# KiCad board PC110.kicad_pcb (continued)
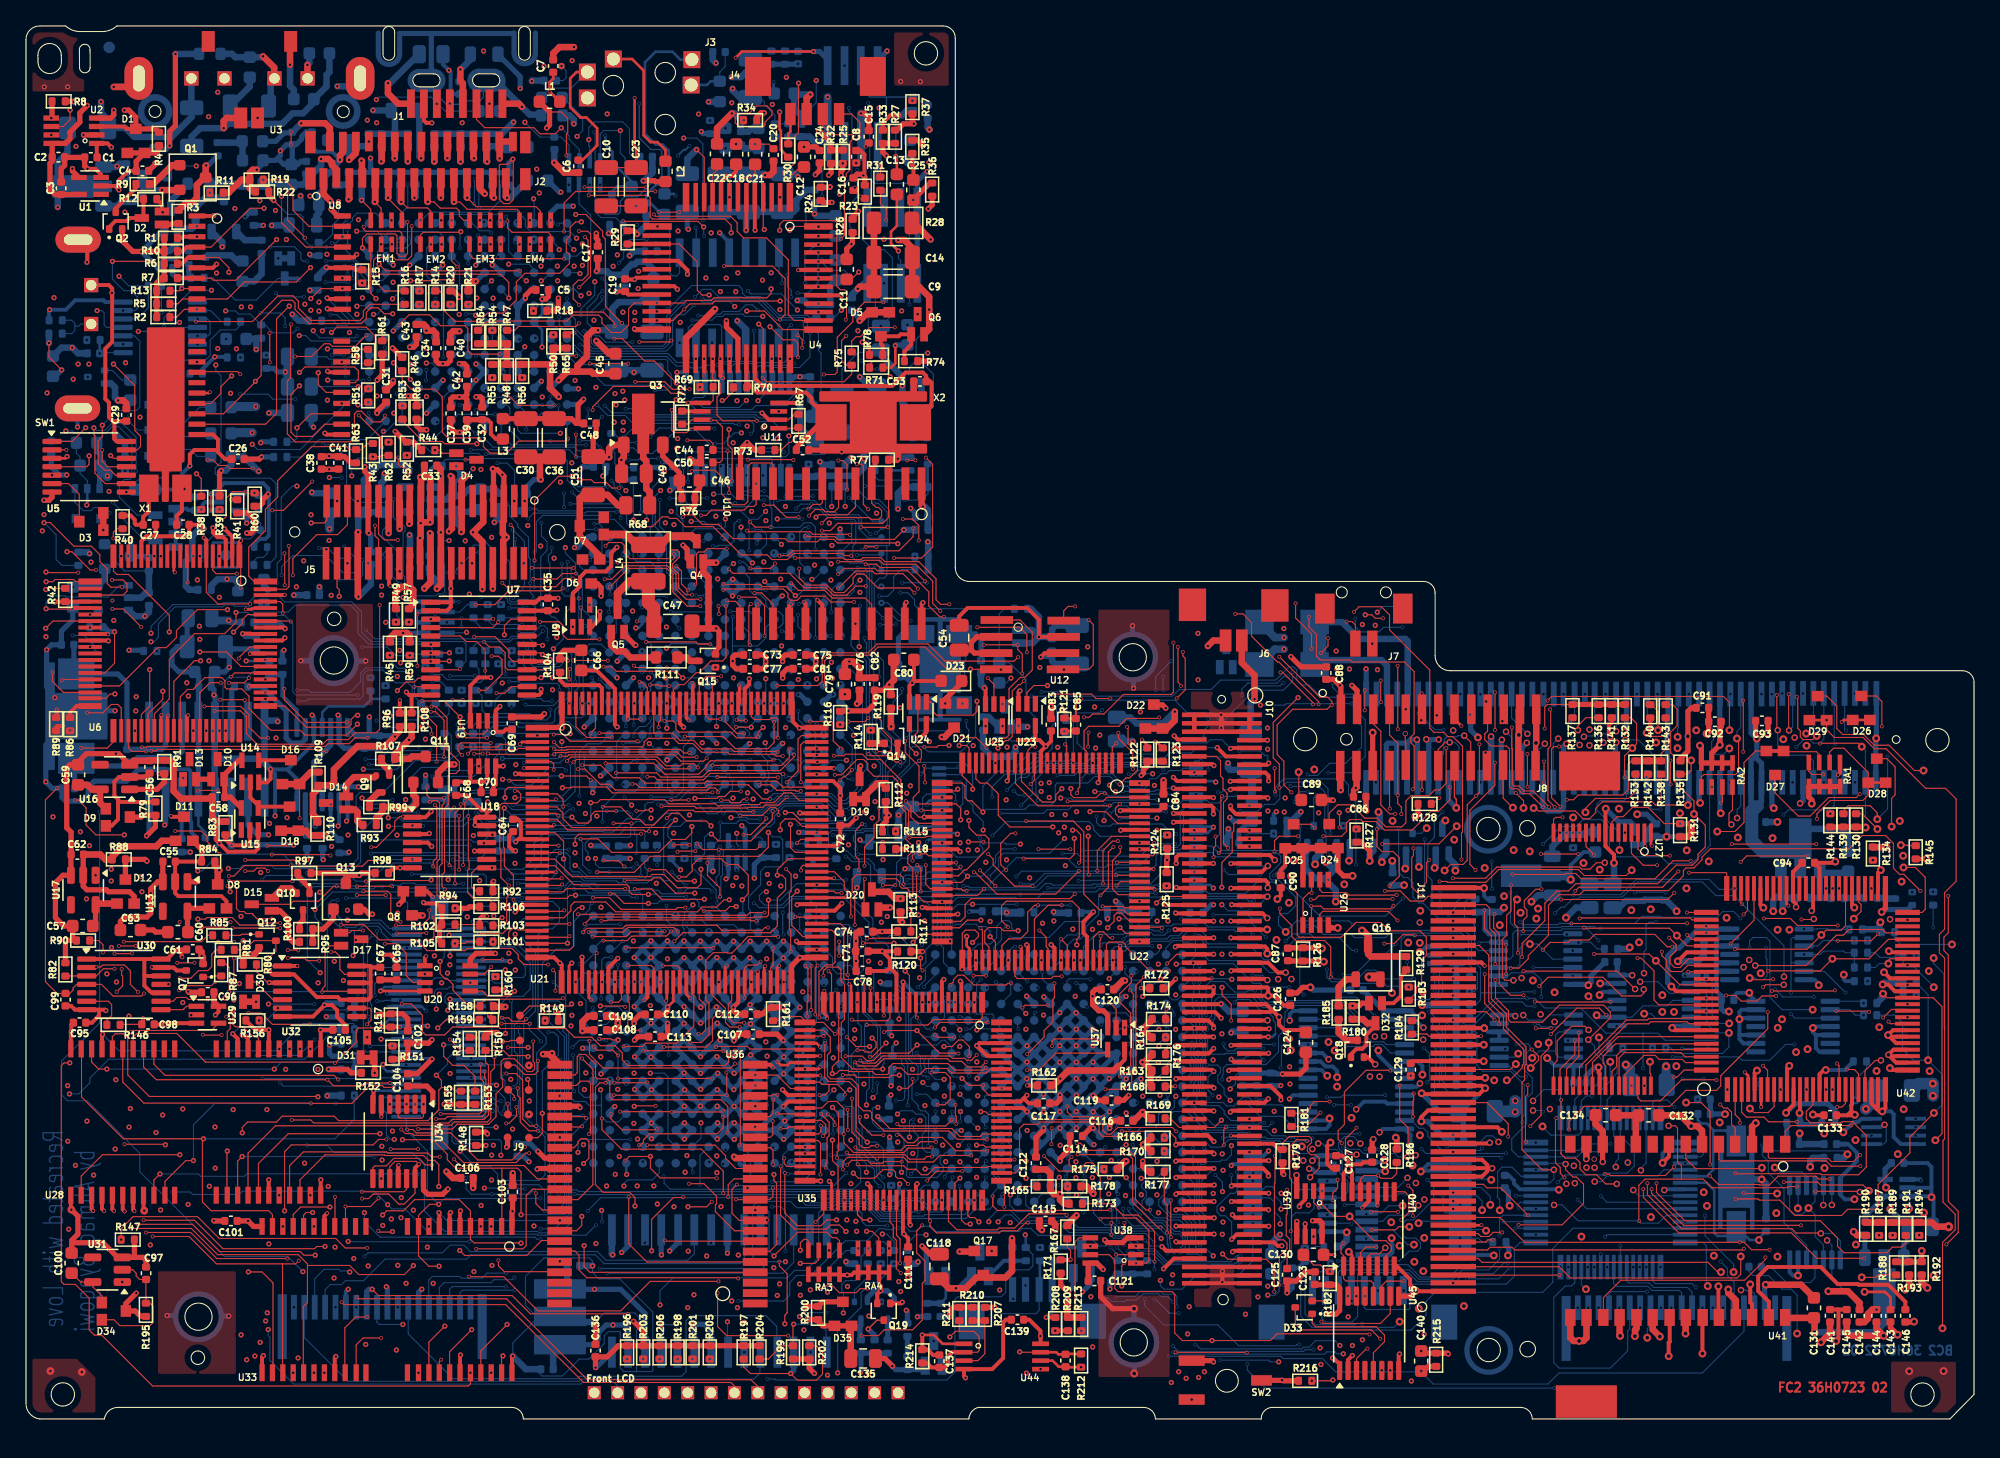
[diagram p0: board, top side]
## Routing (per net, layer and track width the routed paths; a pad name or vN(x,y) marks a point on that pad's centre or on a via; arc(x,y) is an arc through that point) (continued)
Q43_2: length 40.4
  FC2 w0.5: J5.13 28.78,70.72 v1(28.78,68.59)
  IC1 w1: v1(17.7,78.02) 18.19,78.51 v1(23.22,78.51)
  IC2 w0.8: v1(28.78,68.59) 28.78,71.75 28.45,72.08 28.4,72.08 v1(27.61,72.87)
  IC2 w1: v1(27.61,72.87) 27.61,74.12 v1(23.22,78.51)
  IC4 w0.7: v1(17.7,78.02) 17.71,78.02 18.47,78.78 18.47,85.7 17.87,86.3 17.87,89.77 17.31,90.33 v1(15.12,90.33)
  BC2 w0.5: Q20.2 15.12,90.69 v1(15.12,90.33) ; v1(27.61,72.87) 27.61,72.38 27.36,72.13 C222.2
  BC2 w0.7: D51.1 15.86,78.02 v1(17.7,78.02)
R73_2: length 28.5
  FC2 w0.08: v3(28.63,67.74) 27.61,67.74 27.16,68.19 J5.15
  FC2 w0.3: R104.2 41.6,58.56 v3(41.72,58.44)
  FC2 w0.4: C66.2 41.46,59.24 41.14,58.92 R104.2
  FC1 w0.08: v3(28.63,67.74) 29.39,66.98 33.31,66.98 33.96,66.33 33.96,65.9 34.2,65.66 35.5,65.66 36.33,66.49 39.24,66.49 39.61,66.12 39.61,63.79 40.6,62.8 41.23,62.8 41.52,62.51 41.52,59 41.72,58.8 v3(41.72,58.44)
R284_2: length 46.1
  FC2 w0.5: J5.14 27.93,70.71 v1(27.93,68.26)
  IC1 w0.4: v1(3.14,72.75) 3.86,73.47 11.73,73.47 13.05,72.15 13.07,72.15
  IC1 w0.7: v1(27.93,68.26) 27.94,68.27 27.94,69.95 27.97,69.98 ; 13.07,72.15 19.18,72.15 20.61,70.72 22.64,70.72 23.38,69.98 ; 27.97,69.98 29.43,69.98 29.98,70.53 31.45,70.53 32.03,69.95 35.25,69.95 35.25,69.93 v1(36.08,69.1) ; 27.97,69.98 23.38,69.98 ; 23.38,69.98 v1(23.38,68.6)
  BC2 w0.4: R281.2 1.95,73.37 2.57,72.75 v1(3.14,72.75)
  BC2 w0.5: R266.1 36.44,69.46 v1(36.08,69.1)
  BC2 w0.7: v1(23.38,68.6) C218.1
R412_1: length 113.7
  FC2 w0.08: J5.20 23.16,69.24 22.97,69.05 v1(21.97,69.05)
  IC3 w0.08: v1(64.26,3.56) 64.26,4.13 64.1,4.29 44.73,4.29 44.38,4.64 38.56,4.64 37.73,5.47 29.12,5.47 28.97,5.32 28.54,5.32 v1(28.53,5.31)
  IC4 w0.08: v1(21.97,69.05) 21.97,65.76 21.22,65.01 21.22,63.47 20.71,62.96 20.71,56.97 21.58,56.1 21.58,44.23 20.53,43.18 20.53,9.76 24.98,5.31 v1(28.53,5.31)
  BC2 w0.08: v1(64.26,3.56) 64.31,3.61
  BC2 w0.4: 64.31,3.61 R409.1 R410.1 R412.1
RAM_A0: length 78.4
  FC2 w0.08: U28.18 6.66,29.46 6.88,29.68 7.53,29.68 7.84,29.37 7.84,26.51 9.5,24.85 22.47,24.85 v1(22.49,24.83) ; U33.18 21.39,15.71 21.59,15.91 v1(22.08,15.91)
  BC1 w0.08: v7(33.78,48.44) v7(33.78,43.56) ; v1(22.08,15.91) 22.05,15.94 22.05,24.39 v1(22.49,24.83) 23.36,23.96 24,23.96 24.17,24.13 24.17,30.49 24.66,30.98 v7(25.3,30.98) 25.32,31 v7(26.39,31) ; v7(26.57,43.57) 26.57,39.56 26.13,39.12 26.13,38.52 26.71,37.94 v7(26.71,37.28)
  BC2 w0.08: v7(33.78,43.56) 33.7,43.64 26.64,43.64 v7(26.57,43.57) ; v7(26.71,37.28) 26.31,36.88 26.31,31.08 v7(26.39,31) 26.39,30.41 27.01,29.79 29.32,29.79 29.33,29.78 ; R346.1 36.45,51.29 36.08,50.92 36.08,48.81 35.71,48.44 v7(33.78,48.44)
  BC2 w0.2: R404.1 25.43,31.93 ; 25.43,31.11 v7(25.3,30.98)
  BC2 w0.3: v7(25.3,30.98) R404.1
RAM_A1: length 76.9
  FC2 w0.08: U33.19 20.59,15.76 21.16,16.33 v1(23.41,16.33)
  FC2 w0.3: U28.19 5.86,29.6 v1(5.9,29.64)
  IC2 w0.08: v1(27.92,45.67) 27.92,44.7 27.23,44.01 27.23,38.45 26.84,38.06 26.84,32.33 28.01,31.16 28.01,29.93 v1(27.35,29.27)
  BC1 w0.08: v7(30.58,45.7) 30.58,48.8 v7(31.3,49.52) ; v1(27.35,29.27) 26.7,29.27 25.95,30.02 v7(25.3,30.02) 25.3,29.05 24.82,28.57 24.82,17.11 24.04,16.33 v1(23.41,16.33)
  BC2 w0.08: v1(5.9,29.64) 7.17,28.37 19.24,28.37 21.35,30.48 25.21,30.48 25.3,30.39 v7(25.3,30.02) ; 29.33,29.28 29.32,29.29 27.37,29.29 v1(27.35,29.27) ; v1(27.92,45.67) 30.55,45.67 v7(30.58,45.7) ; v7(31.3,49.52) 34.49,49.52 35.45,50.48 R338.1
  BC2 w0.3: v7(25.3,30.02) R406.1
RAM_A2: length 97.8
  FC2 w0.08: v1(6.23,26.96) 5.6,26.96 5.06,27.51 U28.20
  FC1 w0.08: v1(19.13,26.96) 19.15,26.94 19.15,15.47 v3(19.79,14.84)
  BC1 w0.08: v7(18.19,41.56) 18.19,31.64 19.13,30.7 v1(19.13,26.96) ; v7(38.37,50.56) 38.37,48.76 38.47,48.66 38.47,43.84 38.19,43.56 v7(38.19,40.16) ; v7(25.3,27.96) 25.3,28.25 25.78,28.73 v7(26.51,28.73) ; v7(24.65,40.14) 24.65,41.52 v7(24.63,41.54) ; v7(41.57,51.48) 41.03,51.48 v7(40.71,51.8)
  BC2 w0.08: v7(38.37,50.56) 41.12,50.56 41.57,51.01 v7(41.57,51.48) ; v1(6.23,26.96) v1(19.13,26.96) 19.67,27.5 25.27,27.5 25.3,27.53 v7(25.3,27.96) ; 29.33,28.78 29.32,28.79 26.57,28.79 v7(26.51,28.73) ; v7(18.19,41.56) 18.52,41.89 21.22,41.89 21.57,41.54 v7(24.63,41.54) ; v7(24.65,40.14) 29.02,40.14 29.4,39.76 29.4,38.68 29.95,38.13 32.72,38.13 34.1,39.51 35.7,39.51 36.35,40.16 v7(38.19,40.16) ; v7(40.71,51.8) 40.7,51.81 R342.1
  BC2 w0.3: v7(25.3,27.96) R401.1
RAM_A3: length 87.2
  FC2 w0.08: U28.21 4.28,28.49 4.28,24.81 7.5,21.59 v1(13.67,21.59) 13.59,21.51 13.59,16.72 14.26,16.05 18.69,16.05 18.98,15.76 18.98,14.84
  BC1 w0.08: v7(25.28,24.91) 25.28,26.31 26.05,27.08 v7(26.05,28.33) ; v7(25.9,36.97) 27,36.97 28.11,38.08 v7(28.11,41.12) ; v7(33.69,41.24) 33.67,41.26 33.67,42.69 34.04,43.06 34.45,43.06 35.23,43.84 35.23,47.26 35.03,47.46 35.03,52.13 34.28,52.88 34.28,57.45 35.02,58.19 v7(36.38,58.19)
  BC2 w0.08: v7(25.28,24.91) 25.28,23.08 23.79,21.59 v1(13.67,21.59) ; v7(33.69,41.24) 33.28,41.24 33.2,41.16 30.04,41.16 29.91,41.29 29.01,41.29 28.84,41.12 v7(28.11,41.12) ; 29.33,28.28 29.32,28.29 26.09,28.29 v7(26.05,28.33) 25.99,28.39 25.99,36.88 v7(25.9,36.97)
RAM_A4: length 113.9
  FC2 w0.08: R155.2 33.05,25.26 32.77,25.54 32,25.54 ; v1(31.61,26.49) 32,26.1 32,25.54 ; v1(11.85,20.36) 5.89,20.36 4.26,18.73 U28.24 ; v1(16.66,22.05) 16.66,22.47 17.07,22.88 19.29,22.88 19.74,23.33 23.74,23.33 24.08,22.99 30.97,22.99 31.8,23.82 31.8,25.34 32,25.54 ; v1(17.13,11.33) 18.18,11.33 19.03,10.48 19.03,3.61 18.98,3.56
  IC4 w0.08: v1(11.85,20.36) 11.85,21.4 12.57,22.12 16.59,22.12 v1(16.66,22.05)
  BC1 w0.08: v7(21.21,41.25) 21.21,24.97 19.17,22.93 17.54,22.93 v1(16.66,22.05) 16.67,22.05 18.02,20.7 18.02,12.22 v1(17.13,11.33) ; v7(33.24,53.49) 33.24,50.76 33.4,50.6 33.4,50.25 33.26,50.11 33.26,42.86 v7(32.88,42.48)
  BC2 w0.08: v7(21.21,41.25) 24.25,41.25 24.43,41.07 26.12,41.07 28.16,43.11 32.25,43.11 v7(32.88,42.48) ; 34.33,28.28 34.32,28.29 33,28.29 32.48,27.77 32.48,27.36 v1(31.61,26.49) ; R334.1 35.39,57.16 34.99,56.76 34.36,56.76 34.09,56.49 34.09,53.82 33.76,53.49 v7(33.24,53.49)
RAM_A5: length 100.2
  FC2 w0.08: 19.75,11.95 20.76,11.95 v3(21.01,12.2) ; 19.75,11.95 14.67,11.95 12.56,14.06 v3(9.76,14.06) ; 19.75,11.95 19.76,11.94 19.76,3.59 U33.25 ; R153.2 34.59,26.4 33.74,27.25 32.87,27.25 32.17,27.95 v1(32.17,28.83)
  FC2 w0.3: U28.25 5.06,16.17 v3(5.18,16.04)
  FC1 w0.08: v1(22.49,26.94) 21.01,25.46 v3(21.01,12.2) ; v3(5.18,16.04) 7.04,14.18 8.59,14.18 8.71,14.06 v3(9.76,14.06)
  IC1 w0.08: v1(22.49,26.94) 23.04,26.39 30.66,26.39 32.17,27.9 v1(32.17,28.83)
  BC1 w0.08: v1(22.49,26.94) 21.91,27.52 21.91,38.02 23.53,39.64 24.15,39.64 24.3,39.79 24.3,41.99 25.75,43.44 v7(25.75,47.06) ; v7(34.96,53.32) 34.96,53.52 34.63,53.85 v7(34.63,55.14)
  BC2 w0.08: v7(25.75,47.06) 29.26,47.06 29.76,47.56 29.76,49.53 30.44,50.21 32.1,50.21 32.34,49.97 34.13,49.97 34.94,50.78 34.94,53.3 v7(34.96,53.32) ; v1(32.17,28.83) 34.25,28.83 J15.42
RAM_A6: length 95.1
  FC2 w0.08: v1(38.67,27.92) 38.59,28 37.17,28 36.77,28.4 R150.1 35.4,27.5 35.62,27.28 35.62,23.42 35.28,23.08 32.82,23.08 32.55,22.81 22.16,22.81 21.93,23.04 v3(20.47,23.04) ; v3(9.25,14.37) 12.69,14.37 14.7,12.36 v3(20.14,12.36)
  FC2 w0.3: v3(6.02,16.03) 5.86,16.2 U28.26
  FC1 w0.08: v3(20.47,23.04) 20.47,22.48 20.39,22.4 20.39,12.61 v3(20.14,12.36) 20.16,12.34 20.16,3.99 v3(20.59,3.56) ; v3(9.25,14.37) 9.22,14.4 7.64,14.4 6.02,16.02 v3(6.02,16.03)
  BC1 w0.08: v1(38.67,27.92) 38.02,27.92 37.82,28.12 37.82,29.41 36.82,30.41 36.23,30.41 ; v7(37.4,54.89) 37.4,53.47 38.68,52.19 38.68,43.55 38.51,43.38 38.51,35.52 38.47,35.48 38.47,35 v7(38.46,34.99) ; v7(36.22,34.02) 36.22,30.42 36.23,30.41 ; 36.23,30.41 36.01,30.41 35.77,30.17 v7(35.77,29.42)
  BC2 w0.08: v7(35.77,29.42) 35.64,29.29 J15.43 ; v7(36.22,34.02) 38.28,34.02 38.46,34.2 v7(38.46,34.99)
RAM_A7: length 89.6
  FC2 w0.08: v1(29.84,11.82) 29.15,11.13 25.63,11.13 24.93,11.83 21.68,11.83 ; U33.27 21.36,3.59 21.36,8.64 21.68,8.96 21.68,11.83 ; 21.68,11.83 21.68,11.95 20.97,12.66 14.76,12.66 12.74,14.68 v3(8.08,14.68)
  FC2 w0.3: v3(6.78,16.03) 6.66,16.16 U28.27
  FC1 w0.08: v3(6.78,16.03) 6.78,15.98 v3(8.08,14.68)
  BC1 w0.08: v7(35.83,32.05) 35.43,32.45 35.43,35.8 36.84,37.21 36.84,37.55 36.61,37.78 36.36,37.78 35.55,38.59 35.55,39.76 36.85,41.06 v7(36.85,43.07) ; v7(33.68,29.77) 33.68,28.34 33.06,27.72 33.06,23.88 32.21,23.03 32.21,21.73 31.35,20.87 31.35,12.63 30.54,11.82 v1(29.84,11.82) ; v7(32.89,43.1) 32.89,50.01 32.63,50.27 32.63,50.59 32.93,50.89 32.93,54.25 33.56,54.88 v7(33.56,55.14)
  BC2 w0.08: v7(35.83,32.05) 35.89,31.99 35.89,29.98 35.69,29.78 34.33,29.78 34.32,29.77 v7(33.68,29.77) 34.27,29.77 J15.44 ; v7(36.85,43.07) 36.81,43.03 32.96,43.03 v7(32.89,43.1)
RAM_A8: length 100.2
  FC2 w0.08: v1(22.28,12.62) 21.41,12.62 21.13,12.9 14.92,12.9 12.82,15 v3(8.61,15)
  FC2 w0.3: v3(7.6,16) 7.46,16.15 7.46,17.24
  FC1 w0.08: v3(7.6,16) 8.6,15 v3(8.61,15) ; v3(22.19,3.56) 22.38,3.76 22.38,12.52 v1(22.28,12.62)
  IC2 w0.08: v1(37.69,34.6) 37.69,34.45 37.26,34.02 35.07,34.02 33.95,32.9 33.95,25.8 33.26,25.11 33.22,25.11 33.2,25.09 v1(32.36,25.09)
  IC4 w0.08: v1(32.36,25.09) 33.12,24.33 33.12,21.3 32.82,21 32.82,20.41 33.59,19.64 33.59,17.46 34.2,16.85 34.2,14.76 32.82,13.38 32.82,11.68 32.06,10.92 24.46,10.92 22.76,12.62 v1(22.28,12.62)
  BC1 w0.08: v1(32.36,25.09) 31.11,26.34 31.11,26.75 32.66,28.3 32.66,29.74 33.12,30.2 v7(33.68,30.2) ; v1(37.69,34.6) 38.61,34.6 38.75,34.74 38.75,43.09 38.87,43.21 38.87,52.35 37.81,53.41 37.81,57.79 v7(37.41,58.19)
  BC2 w0.08: 34.33,30.28 34.25,30.2 v7(33.68,30.2) 34.2,30.2 J15.45
RAM_A9: length 83
  FC2 w0.08: v1(23.03,13.29) 22.4,13.29 22.23,13.12 15.17,13.12 12.98,15.31 v3(9.06,15.31)
  FC2 w0.3: v3(8.35,16.02) 8.26,16.12 U28.29
  FC1 w0.08: v3(22.98,3.56) 23.03,3.61 v1(23.03,13.29) ; v3(9.06,15.31) v3(8.35,16.02)
  BC1 w0.08: v1(23.03,13.29) 23.06,13.29 23.83,14.06 26.54,14.06 26.61,13.99 29.7,13.99 30.65,14.94 30.65,28.18 31.09,28.62 31.52,28.62 31.72,28.82 31.72,29.18 32.35,29.81 32.35,30.24 32.36,30.24 v7(32.87,30.75) 33.38,30.75 33.81,31.18 33.81,37.79 33.31,38.29 33.31,39.64 34.42,40.75 34.42,41.83 36.09,43.5 36.09,45.11 36.51,45.53 37.29,45.53 38.11,46.35 38.11,48.03 37.68,48.46 36.94,48.46 36.06,49.34 36.06,54.18 35.63,54.61 v7(35.63,55.14)
  BC2 w0.2: v7(32.87,30.75) 32.9,30.78
  BC2 w0.3: v7(32.87,30.75) 32.91,30.79 J15.46
RAM_A10: length 70
  FC2 w0.08: v3(28.34,25.55) 27.59,25.55 27.46,25.69 26.47,25.69 25.1,24.32 v3(21.95,24.32) 21.93,24.34 9.08,24.34 7.46,25.97 7.46,28.52
  FC1 w0.08: v3(22.19,14.84) 21.48,15.54 21.48,18.6 21.95,19.07 v3(21.95,24.32) ; v1(30.94,30.28) 30.94,29.42 30.26,28.74 v3(28.23,28.74) 28.34,28.63 v3(28.34,25.55)
  BC1 w0.08: v7(29.29,30.29) 29.29,31.87 29.18,31.98 29.18,33.43 30.67,34.92 30.67,36.79 29.76,37.7 29.76,39.64 30.56,40.44 30.56,42.39 32.07,43.9 v7(32.07,44.2) ; v7(34.44,51.81) 34.44,50.88 34.86,50.46 34.86,47.31 35.05,47.12 35.05,44.46 34.8,44.21 v7(34.17,44.21)
  BC2 w0.08: v7(34.17,44.21) 34.16,44.2 v7(32.07,44.2)
  BC2 w0.3: v7(29.29,30.29) 30.93,30.29 v1(30.94,30.28)
RAM_A11: length 76
  FC2 w0.08: v1(27.4,30.22) 27.31,30.13 25.63,30.13 25.44,29.94 25.44,29.04 23.83,27.43 v3(23.8,27.43) 23.73,27.5 13.83,27.5 11.62,29.71 8.54,29.71 8.26,29.43 U28.16
  FC2 w0.3: v1(27.4,30.22) 27.42,30.2 R157.1 28.81,30.2 v3(28.82,30.19) ; v3(23.2,15.85) 22.98,15.64 22.98,14.84
  FC1 w0.08: v1(28.58,45) 29.17,44.41 29.17,41.62 29.49,41.3 29.49,38.6 29.32,38.43 29.32,30.69 v3(28.82,30.19) ; v3(23.2,15.85) 23.72,15.85 24.08,16.21 24.08,25.06 23.53,25.61 23.53,26.47 23.8,26.74 v3(23.8,27.43)
  BC1 w0.08: v7(31.15,51.51) 31.15,51.9 31.21,51.96 31.21,54.86 31.64,55.29 31.64,56.99 v7(31.26,57.37) ; v7(28.5,51.5) 28.54,51.46 28.54,45.04 v1(28.58,45)
  BC2 w0.08: R335.1 34.89,57.77 34.89,57.18 34.68,56.97 32.44,56.97 32.04,57.37 v7(31.26,57.37) ; v7(28.5,51.5) 31.14,51.5 v7(31.15,51.51)
  BC2 w0.2: v1(27.4,30.22) 27.97,30.79 J15.15
RAM_ID0: length 40.4
  FC2 w0.08: v3(41.36,32.42) 41.29,32.35 35.37,32.35 34.98,31.96 R158.1 34.12,31.81 32.89,33.04 32.89,33.49 32.47,33.91 32.34,33.91 32.33,33.92 32.29,33.92 31.9,34.31 v1(31.9,35.26) ; v3(54.61,27.38) 54.27,27.04 54.25,27.04 54.25,27.05 44.46,27.05 43.4,28.1 v3(43.4,29.13)
  FC2 w0.2: v3(57.88,27.53) 58.14,27.27 58.65,27.27 58.84,27.46 60,27.46
  FC1 w0.08: v3(57.88,27.53) 56.71,27.53 56.56,27.38 v3(54.61,27.38) ; v3(43.4,29.13) 43.36,29.17 43.36,31.99 42.63,32.72 41.66,32.72 v3(41.36,32.42)
  BC2 w0.08: 34.33,37.78 34.32,37.79 32.48,37.79 32.22,37.53 32.22,35.58 v1(31.9,35.26)
RAM_ID1: length 81.2
  FC2 w0.08: v3(64.23,23.26) 64.23,22.79 65.15,21.87 v3(66.04,21.87) ; v3(61.01,10.06) 61.25,10.06 61.44,10.25 62.13,10.25 62.65,9.73 63.94,9.73 64.25,10.04 v3(64.82,10.04)
  FC2 w0.2: 60,27.96 60.02,27.98 v3(61.17,27.98)
  FC2 w0.3: v1(35.43,21.08) R148.1
  FC1 w0.08: v3(61.17,27.98) 61.28,27.98 61.78,28.48 63.07,28.48 63.51,28.04 63.51,27.11 63.71,26.91 63.71,26.3 62.74,25.33 62.74,24.72 62.85,24.61 62.85,23.85 63.44,23.26 v3(64.23,23.26) ; v3(64.82,10.04) 64.82,10.3 67.23,12.71 67.23,13.69 67.01,13.91 67.01,17.21 66.08,18.14 66.08,21.83 v3(66.04,21.87) ; v3(61.01,10.06) 60.67,10.4 v1(59.59,10.4)
  IC3 w0.08: v1(31.36,10.45) 32.02,10.45 32.16,10.31 37.81,10.31 38.16,10.66 57.36,10.66 57.61,10.91 59.08,10.91 v1(59.59,10.4)
  IC4 w0.08: v1(35.43,21.08) 35.43,19.98 36.25,19.16 36.25,14.13 32.57,10.45 v1(31.36,10.45)
  BC2 w0.08: v1(35.43,21.08) 34.43,21.08 34.31,21.2 33.01,21.2 32.82,21.39 32.82,23.04 33.06,23.28 34.33,23.28
RAMWE#: length 53.5
  FC2 w0.08: v3(27.16,17) 26.53,16.37 v3(24.61,16.37) 24.61,14.86 U33.14 ; R154.1 33.49,28.4 v3(32.65,29.24) ; U28.14 9.86,27.34 10.71,26.48 23.73,26.48 v3(24.05,26.16)
  FC1 w0.08: v3(24.61,16.37) 24.61,25.19 24.05,25.75 v3(24.05,26.16) ; v1(32.49,31.5) 32.49,31.01 32.65,30.85 v3(32.65,29.24) 32.65,28.01 29.97,25.33 29.33,25.33 28.68,24.68 28.68,24.04 28.44,23.8 27.4,23.8 26.9,23.3 26.9,21.46 26.97,21.39 26.97,18.18 27.16,17.99 v3(27.16,17)
  BC2 w0.08: v1(32.49,31.5) 32.49,31.94 32.27,32.16 32.27,32.57 32.5,32.8 34.31,32.8 34.33,32.78
RESET: length 243.2
  FC2 w0.08: v1(31.22,41.54) 31.17,41.49 26.6,41.49 26.53,41.42 v3(26.18,41.42) ; v1(76.42,37.63) 75.28,37.63 75.04,37.87 74.13,37.87 73.85,37.59 73.85,36.7 74.17,36.38 U22.55
  FC2 w0.5: D18.3 D18.1 21.56,45.34 21.92,44.97 R110.1 23.03,44.97 v3(23.08,44.92)
  FC1 w0.08: v3(26.18,41.42) 25.26,41.42 24,42.68 24,44.57 23.65,44.92 v3(23.08,44.92)
  IC1 w0.08: v2(113.85,40.29) 113.72,40.29 113.64,40.37 112.06,40.37 111.8,40.63 108.5,40.63 107.49,41.64 105.47,41.64 104.57,40.74 97.39,40.74 96.48,41.65 87.45,41.65 87.1,41.3 72.17,41.3 70.78,42.69 70.78,44.17 69.74,45.21 63.21,45.21 62.43,44.43 48.29,44.43 47.59,43.73 42.39,43.73 v1(42.29,43.63) ; v1(76.42,37.63) 76.46,37.63 76.93,37.16 81.33,37.16 81.56,36.93 81.6,36.93 81.61,36.92 89.72,36.92 89.95,36.69 92.98,36.69 93.51,37.22 95.74,37.22 96.65,38.13 99.86,38.13 100.8,37.19 106.86,37.19 v2(107.36,36.69)
  IC2 w0.08: v2(107.36,36.69) 110.23,36.69 113.83,40.29 v2(113.85,40.29) 114.36,39.78 114.36,37.22 119,32.58 v2(120.35,32.58)
  IC3 w0.08: v1(31.22,41.54) 32.12,42.44 39.8,42.44 40.99,43.63 v1(42.29,43.63)
  IC4 w0.08: v1(42.29,43.63) 41.15,44.77 41.15,47.42 41.32,47.59 41.32,47.64 41.69,48.01 41.69,50.03 42.15,50.49 42.15,52.31 42.31,52.47 42.31,55.22 42.92,55.83 42.92,59.7 42.14,60.48 42.14,65.66 42.87,66.39 42.87,71.84 43.12,72.09 43.12,75.08 42.42,75.78 42.42,78.8 42.65,79.03 42.82,79.03 42.97,79.18 42.97,79.64 42.84,79.77 42.84,80.82 42.13,81.53 42.13,87.08 42.48,87.43 42.95,87.43 43.37,87.85 43.37,88.59 43.67,88.89 43.67,89.97 44.11,90.41 46.75,90.41 47.92,89.24 47.92,86.83 47.47,86.38 46.93,86.38 45.98,85.43 v1(45.98,85.29)
  BC1 w0.08: v1(45.98,85.29) 45.22,85.29 44.21,84.28 43.89,84.28 43.81,84.2 37.14,84.2 36.86,84.48 36.21,84.48 36,84.27 36,83.68 36.23,83.45 36.23,81.57 36.83,80.97 37.4,80.97 v7(37.65,80.72)
  BC2 w0.08: v1(76.42,37.63) 76.13,37.63 75.92,37.84 75.92,38.17 75.69,38.4 75.21,38.4 74.78,37.97 74.78,37.09 74.29,36.6 73.36,36.6 72.57,35.81 72.57,35.78 ; U66.11 121.51,32.26 121.42,32.17 120.76,32.17 v2(120.35,32.58) ; v7(37.65,80.72) U51.K10
RIOUT#: length 40.4
  FC2 w0.3: U39.6 v1(98.53,15.03)
  BC1 w0.08: v1(98.53,15.03) 98.53,14.56 99.06,14.03 99.06,6.72 v7(98.08,5.74) ; v7(78.84,18.99) 78.59,18.74 78.59,17.02 81.05,14.56 82.65,14.56 82.77,14.44 84.88,14.44 85.15,14.17 85.15,13.16 86.15,12.16 86.15,9.25 v7(86.17,9.23)
  BC2 w0.08: 78.92,19.27 78.84,19.19 v7(78.84,18.99) 78.84,19.22 78.92,19.3 ; v7(98.08,5.74) 97.9,5.74 97.8,5.64 93.41,5.64 91.8,7.25 87.65,7.25 86.17,8.73 v7(86.17,9.23)
RTCBAT: length 67
  FC2 w0.3: C70.2 36.01,48.72 36.18,48.89 U19.8 36.74,50.3 v1(36.76,50.32)
  FC2 w0.4: v1(66.5,56.59) 66.07,56.16 C82.1 65.37,55.12 64.82,54.57 63.37,54.57 v1(63.36,54.56) 62.74,54.56 R116.2
  FC2 w0.5: C80.1 66.85,58.5 66.85,56.94 v1(66.5,56.59) 66.62,56.47 R119.2 ; v1(70.53,52.55) 70.76,52.55 D21.2
  IC1 w0.5: v1(70.53,52.55) 69.42,53.66 66.5,53.66 65.92,54.24 65.92,56 66.5,56.58 v1(66.5,56.59) ; v1(36.76,50.32) 36.76,51.23 37.43,51.9 38.76,51.9 41.51,54.65 63.27,54.65 v1(63.36,54.56)
  IC4 w1: v1(67.16,70.13) 65.76,68.73 65.76,57.33 v1(66.5,56.59)
  BC2 w0.4: 62.72,55.26 63.36,54.62 v1(63.36,54.56)
  BC2 w0.5: v1(67.16,70.13) 67.16,71.33 67.65,71.82 R248.2
SA0: length 403.9
  FC2 w0.08: v3(143.05,30.93) 143.06,30.93 143.69,31.56 144.9,31.56 ; v3(116.56,33.35) 117.25,34.04 121.47,34.04 122.91,32.6 124.4,32.6 124.61,32.81 v4(124.61,33.1) ; 31.18,56.44 29.93,56.44 v3(29.91,56.42) ; v3(70.01,30.17) 70.4,30.56 v3(74.09,30.56) ; v1(73.71,46.77) 72.86,47.62 72.86,47.64 72.55,47.64 72.33,47.86 72.33,48.79 72.12,49 U22.26 ; v3(49.06,34.93) 50.16,34.93 50.36,34.73 U21.55 ; v3(23.15,51.45) 22.77,51.45 22.62,51.6 10.13,51.6 10.02,51.49 v3(9.66,51.49)
  FC1 w0.08: v3(109.93,33.93) 110.53,33.93 111.11,33.35 v3(116.56,33.35) ; v3(9.66,51.49) 9.66,51.2 9.09,50.63 7.75,50.63 6.24,49.12 6.24,43.33 6.57,43 v1(6.57,42.36) ; v3(29.91,56.42) 29.61,56.42 29.38,56.65 24.81,56.65 23.17,55.01 23.17,51.47 v3(23.15,51.45) ; v3(70.01,30.17) 70.01,30.64 70.05,30.68 v3(70.05,32.11) ; v3(49.06,34.93) 49.06,35.35 48.88,35.53 48.88,39.78 49.56,40.46 49.56,44.82 v1(49.89,45.15) ; v2(142.54,26.82) 142.27,26.82 142.22,26.87 142.22,30.41 142.74,30.93 v3(143.05,30.93) ; v1(77.02,30.03) 74.62,30.03 v3(74.09,30.56)
  IC1 w0.08: v1(77.02,30.03) 77.7,30.71 87.48,30.71 89.42,32.65 93.52,32.65 93.94,33.07 97.67,33.07 98.62,32.12 102.92,32.12 105.04,30 105.04,28.43 105.72,27.75 109.52,27.75 110.18,28.41 113.14,28.41 113.73,29 115.07,29 115.63,28.44 135.29,28.44 136.18,29.33 140.16,29.33 142.54,26.95 v2(142.54,26.82)
  IC2 w0.08: v1(73.71,46.77) 74.73,45.75 74.73,41.63 76.03,40.33 76.03,30.49 76.49,30.03 v1(77.02,30.03)
  IC3 w0.08: v1(73.71,46.77) 74.05,46.77 74.27,46.55 74.27,45.3 73.93,44.96 73.03,44.96 72.19,45.8 71.72,45.8 71.7,45.82 71.65,45.82 71.43,46.04 65.54,46.04 65.45,45.95 62.95,45.95 62.71,46.18 61.4,46.18 60.01,47.57 56.95,47.57 56.61,47.23 50.89,47.23 50.53,46.87 50.53,45.79 v1(49.89,45.15) 49.32,45.72 47.92,45.72 46.87,46.77 44.91,46.77 44.75,46.93 43.7,46.93 43.5,46.73 43.5,46.37 43.32,46.19 42.91,46.19 41.73,47.37 41.73,50.3 40.79,51.24 17.95,51.24 12.92,56.27 12,56.27 11.03,57.24 9.13,57.24 7.34,59.03 7.34,61.89 7.21,62.02 6.08,62.02 5.33,61.27 5.33,42.98 5.89,42.42 6.51,42.42 v1(6.57,42.36)
  BC1 w0.08: v7(112.94,40.86) 114.04,40.86 v7(114.34,40.56) ; v7(112.9,42.96) 112.62,43.24 112.16,43.24 110.25,45.15 109.23,45.15 108.73,45.65 108.73,47.46 107.65,48.54 103.58,48.54 103.03,49.09 v7(102.62,49.09) ; v7(100.65,56.72) 100.64,56.73 v7(96.85,56.73) ; v7(121.3,37.8) 121.3,40 121.89,40.59 v7(123.92,40.59) ; v1(49.89,45.15) 49.89,45.62 49.59,45.92 49.59,48.07 v7(49.76,48.24) ; v7(126.29,40.57) 126.33,40.53 126.33,37.61 125.09,36.37 125.09,33.58 v4(124.61,33.1) ; v7(75.16,23.68) 75.5,23.68 76.64,24.82 76.64,29.09 77.02,29.47 v1(77.02,30.03)
  BC2 w0.08: v7(49.76,48.24) 49.42,48.58 49.42,49.51 48.75,50.18 ; v7(114.34,40.56) 114.34,38.24 114.7,37.88 118.23,37.88 118.3,37.95 120.79,37.95 120.94,37.8 v7(121.3,37.8) ; U59.21 89.14,50.15 88.96,49.97 88.07,49.97 87.83,49.73 87.45,49.73 87.06,49.34 86.6,49.34 86.4,49.14 86.4,48.83 86.14,48.57 85.04,48.57 84.85,48.76 84.24,48.76 83.48,49.52 82.3,49.52 81.79,49.01 79.44,49.01 79.28,48.85 79.28,47.63 78.96,47.31 77.28,47.31 76.95,46.98 73.92,46.98 v1(73.71,46.77) 73.71,48.77 74.88,49.94 76.84,49.94 77.86,50.96 78.33,50.96 79.04,51.67 79.04,53.42 79.37,53.75 79.37,54.88 79.88,55.39 88.48,55.39 89.45,54.42 91.3,54.42 91.87,53.85 92.3,53.85 94.94,56.49 96.59,56.49 96.83,56.73 v7(96.85,56.73) ; v7(112.9,42.96) 112.9,40.9 v7(112.94,40.86) ; v7(102.62,49.09) 102.62,49.58 102.77,49.73 102.77,50.66 103.15,51.04 103.15,53.89 102.64,54.4 102.64,55.51 102.29,55.86 101.17,55.86 100.65,56.38 v7(100.65,56.72) ; 75.11,23.11 75.11,23.63 v7(75.16,23.68) ; v7(123.92,40.59) 126.27,40.59 v7(126.29,40.57)
SA1: length 284.2
  FC2 w0.08: U36.13 54.54,18.5 54.09,18.05 v3(54.09,17.11) ; v3(67.12,22.73) 67.27,22.58 70.85,22.58 71.3,23.03 v3(71.3,23.06) ; v3(106.83,23.3) 106.83,24.49 106.89,24.55 v3(106.89,25.08) ; v3(71.51,29.41) 70.2,29.41 v3(70,29.61) ; U22.27 71.64,48.4 v1(71.77,48.53) ; v3(66.37,68.73) 66.35,68.71 v3(64.31,68.71)
  FC2 w0.2: v3(51.16,32.42) 50.86,32.72 U21.56
  FC1 w0.08: v3(69.55,32.11) 69.55,30.74 69.66,30.63 69.66,29.95 v3(70,29.61) ; v3(64.31,68.71) 63.99,69.03 63.99,71.42 61.86,73.55 61.86,80.88 61.04,81.7 v3(61.04,85.3) ; v3(106.83,23.3) 106.83,21.45 107.96,20.32 107.96,18.48 107.66,18.18 v4(107.06,18.18) ; 55.6,17.21 55.6,16.47 54.77,15.64 52.2,15.64 51.62,16.22 51.62,21.24 51.37,21.49 51.37,28.48 51.48,28.59 51.48,32.1 v3(51.16,32.42) ; 55.6,17.21 55.93,17.21 56.17,17.45 56.17,19.05 57.82,20.7 58.94,20.7 59.59,21.35 60.85,21.35 61.32,20.88 63.36,20.88 63.64,20.6 63.99,20.6 64.21,20.82 64.21,22.03 64.63,22.45 66.84,22.45 v3(67.12,22.73) ; 55.6,17.21 54.52,17.21 54.42,17.11 v3(54.09,17.11) ; v3(71.51,29.41) 71.51,25.86 71.17,25.52 71.17,23.72 71.3,23.59 v3(71.3,23.06) 71.4,23.16 72.19,23.16 72.48,22.87 73.61,22.87 73.73,22.75 73.73,20.41 v1(73.21,19.89) ; v3(109.93,32.63) 109.73,32.43 107.18,32.43 106.11,31.36 106.11,25.86 v3(106.89,25.08) ; v3(144.93,30.96) 145.33,30.56 145.33,27.94 143.95,26.56 143.95,21.88 144.18,21.65 v2(144.18,20.41) ; v1(69.58,52.2) 69.58,54.48 67.66,56.4 67.66,60.54 66.37,61.83 v3(66.37,68.73)
  IC1 w0.08: v1(73.21,19.89) 73.32,19.89 73.95,19.26 83.94,19.26 84.16,19.48 90.58,19.48 90.9,19.8 92.37,19.8 92.54,19.97 93.07,19.97 93.4,19.64 93.4,19.09 94.36,18.13 96.99,18.13 97.55,17.57 106.29,17.57 106.9,18.18 v4(107.06,18.18) 107.74,18.18 108.09,17.83 117.05,17.83 117.98,18.76 129.8,18.76 131.79,16.77 136.21,16.77 136.48,17.04 139.43,17.04 140.68,18.29 141.94,18.29 144.06,20.41 v2(144.18,20.41)
  IC2 w0.08: v1(69.58,52.2) 69.58,49.91 70.96,48.53 v1(71.77,48.53)
  IC4 w0.08: v1(71.77,48.53) 71.77,48.08 72.16,47.69 73.48,47.69 74.69,46.48 74.69,41.52 73.81,40.64 71.82,40.64 71.11,39.93 71.11,35.14 70.19,34.22 70.19,31.25 71.11,30.33 71.11,29.49 71.37,29.23 71.37,23.59 72.44,22.52 72.44,20.66 v1(73.21,19.89)
  BC1 w0.08: v7(63.4,47.04) 63.4,47.78 64.56,48.94 66.53,48.94 67.68,47.79 68.62,47.79 68.92,48.09 v7(68.92,49.71) ; v7(48.69,47.36) 48.69,48.72 v7(48.6,48.81) ; v1(69.58,52.2) 70.51,51.27 70.87,51.27 71.83,50.31 v7(71.83,50.27)
  BC2 w0.08: v7(48.69,47.36) 48.71,47.38 51.76,47.38 52.5,46.64 53.24,46.64 53.72,47.12 54.89,47.12 55.23,46.78 56.77,46.78 57.24,47.25 57.61,47.25 58.16,47.8 61.7,47.8 62.28,47.22 62.79,47.22 62.97,47.04 v7(63.4,47.04) ; v7(68.92,49.71) 69.36,50.15 U59.20 71.71,50.15 v7(71.83,50.27) ; 73.84,20.57 73.84,20.52 v1(73.21,19.89)
SA2: length 317.3
  FC2 w0.08: v3(122.05,32.14) 122.04,32.13 116.26,32.13 v3(116.22,32.17) ; v3(143.46,30.62) 143.62,30.46 144.93,30.46 ; U21.57 51.36,32.7 51.44,32.62 51.44,30.29 50.11,28.96 47.72,28.96 47.47,28.71 v3(46.03,28.71) ; U36.12 56.08,17.79 v3(55.58,17.79) ; v3(53.2,18.54) 53.17,18.58 48.85,18.58 48.1,19.32 v1(48.1,20.23) 46.47,20.23 v3(46.16,19.92) ; 109.93,31.38 112.47,31.38 v3(113.12,30.73)
  FC1 w0.08: v3(113.12,30.73) 113.71,30.73 113.82,30.62 115.46,30.62 116.22,31.38 v3(116.22,32.17) ; v1(73.73,45.38) 73.73,45.95 73.03,46.65 73.03,47.09 72.64,47.48 71.4,47.48 70.98,47.9 v3(70.57,47.9) 70.57,48.75 69.7,49.62 67.3,49.62 66.04,50.88 66.04,51.31 64.59,52.76 64.59,61.97 65,62.38 65,66.02 64.37,66.65 64.37,67.48 64.62,67.73 64.62,68.8 64.17,69.25 64.17,71.69 62.07,73.79 62.07,81.03 61.31,81.79 61.31,85.01 61.32,85.02 61.32,85.52 61.04,85.8 v3(61.04,85.95) ; v2(146.63,26.81) 146.19,26.81 145.91,27.09 145.91,31.73 145.1,32.54 144.52,32.54 143.46,31.48 v3(143.46,30.62) ; v3(122.05,32.14) 122.03,32.12 v2(122.03,27.52) ; v3(46.03,28.71) 46.03,28.32 46.16,28.19 v3(46.16,19.92) ; v1(61.74,3.37) 61.74,3.71 60.34,5.11 55.44,5.11 52.97,7.58 52.97,9.09 50.21,11.85 50.21,12.98 49.8,13.39 48.85,13.39 47.93,14.31 47.93,18.89 48.1,19.06 v1(48.1,20.23) ; v1(69.24,24.15) 68.63,24.76 68.63,26.1 69.47,26.94 69.47,30.56 69.05,30.98 v3(69.05,32.11) ; v3(55.58,17.79) 55.46,17.67 54.15,17.67 53.28,18.54 v3(53.2,18.54)
  IC1 w0.08: v2(146.63,26.81) 145.33,26.81 144.82,26.3 142.16,26.3 139.32,29.14 136.38,29.14 135.43,28.19 126.56,28.19 124.93,26.56 122.99,26.56 v2(122.03,27.52) 121.28,28.27 115.47,28.27 115.12,28.62 114.09,28.62 113.52,28.05 110.34,28.05 109.57,27.28 105.87,27.28 104.55,25.96 103.38,25.96 103.37,25.97 102.83,25.97 101.56,27.23 99.09,27.23 98.18,26.32 97.24,26.32 97.06,26.14 95.49,26.14 93.47,28.16 90.54,28.16 89.24,26.86 76.38,26.86 73.66,24.14 66.47,24.14 66.12,23.79 66.12,23.06 65.9,22.84 59.34,22.84 58.8,22.3 50.18,22.3 48.11,20.23 v1(48.1,20.23)